# Altium PCB Board.PcbDoc (part 7 of 15) (continued)
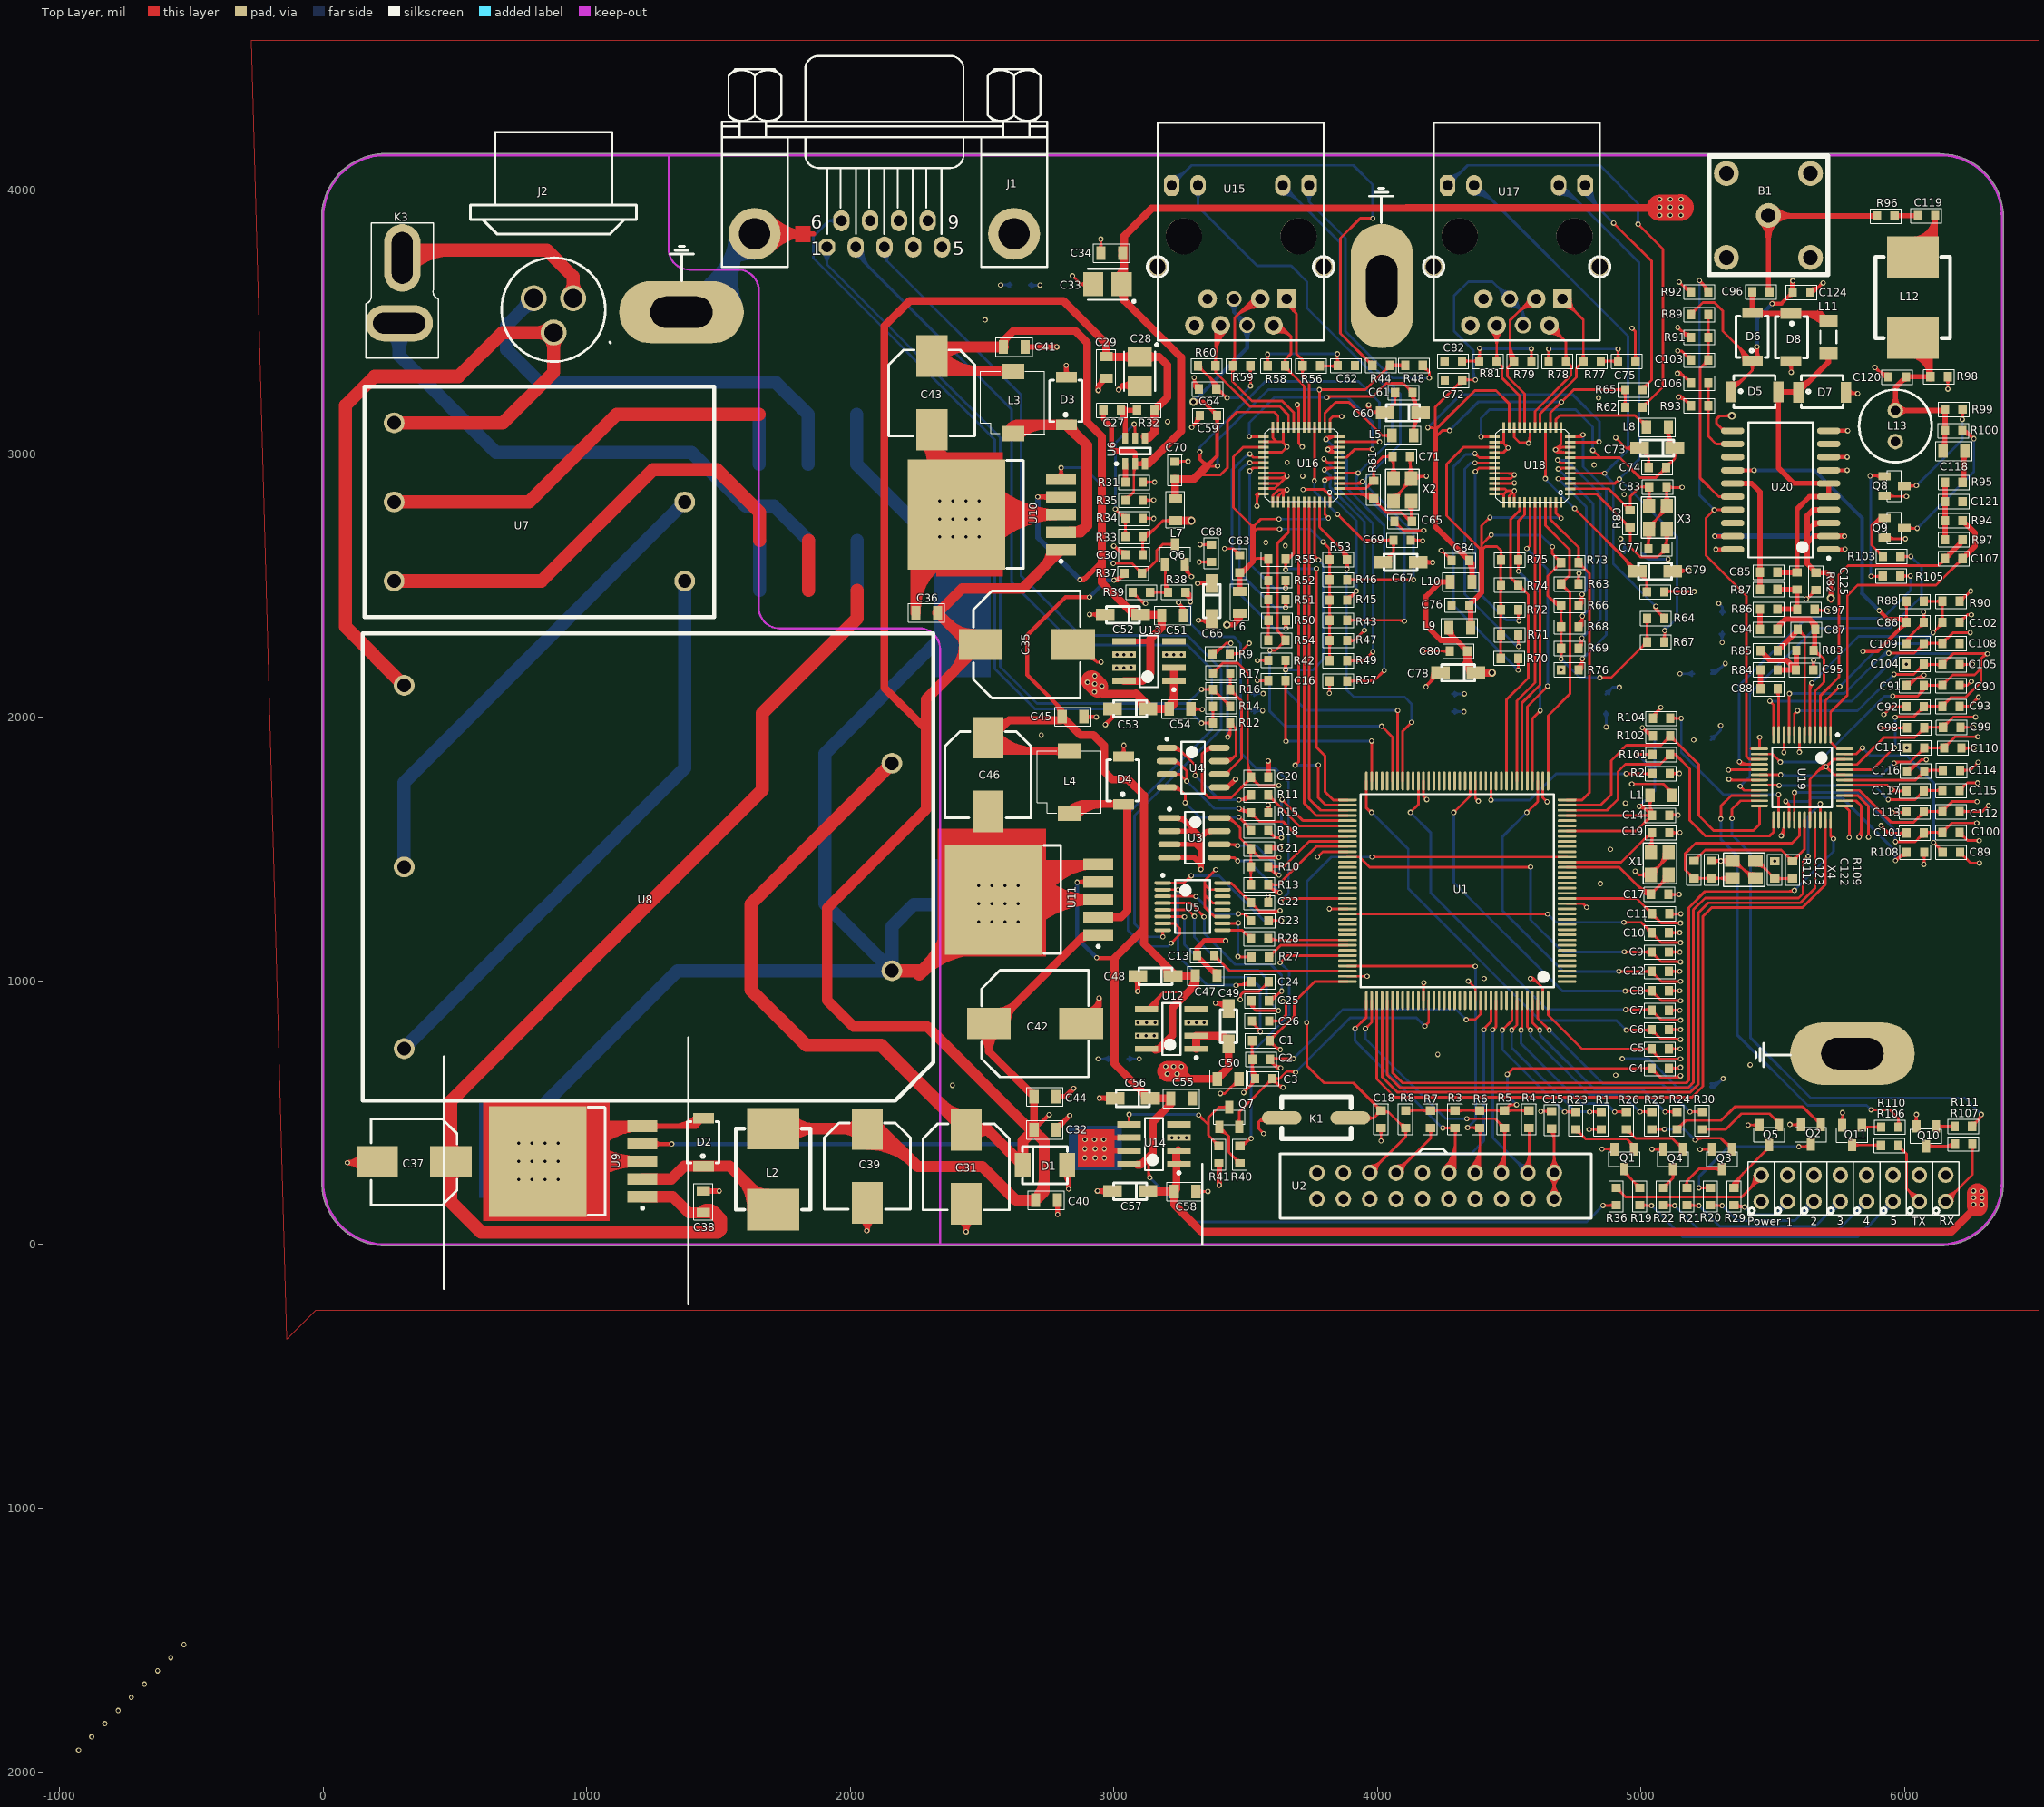
[diagram p0: Top Layer view]
## Nets (pads, with @x,y where several pads share a name; then routed paths per layer and width w, separated by ;. In a path a pad name is that pad's centre, name@x,y a point inside that pad or via, vN(x,y) a via of type N, cw(c..) or ccw(c..) an arc to the next point about the centre after c; other vN are vias at no path point) (continued)
NetC25_2: C25.2 U5.4 | length 1076.9
  Top Layer w10: U5.4@3185.41,1295.24 3291.16,1295.24 3330.6,1255.8 3330.6,1255.45 v1@3344.6,1241.45 ; 3332.36,1253.69 cw(c3322.11,1243.45) v1@3336.6,1243.45 ; 3334.77,1251.28 ccw(c3341.6,1258.11) v1@3341.6,1248.45 ; v1(3341.6,1243.45) v1@3346.6,1243.45 ; C25.2@3588.6,924.45 3597.6,924.45 3634.6,961.45 v1(3636.6,961.45) ; C25.2@3588.6,927.17 ccw(c3588.6,955.45) 3608.6,935.45 ; C25.2@3588.6,927.17 ccw(c3588.6,955.45) 3608.6,935.45 ; C25.2@3588.6,927.17 ccw(c3588.6,955.45) 3608.6,935.45 ; C25.2@3588.6,937.17 ccw(c3588.6,989.59) 3625.67,952.52 ; C25.2@3588.6,937.17 ccw(c3588.6,989.59) 3625.67,952.52 ; C25.2@3588.6,937.17 ccw(c3588.6,989.59) 3625.67,952.52 ; 3624.65,951.5 cw(c3636.6,939.55) v1@3636.6,956.45 ; 3624.65,951.5 cw(c3636.6,939.55) v1@3636.6,956.45 ; 3624.65,951.5 cw(c3636.6,939.55) v1@3636.6,956.45
  Bottom Layer w10: v1@3346.6,1243.45 3342.6,1239.45 3342.6,1180.45 3460.6,1062.45 3595.6,1062.45 3636.6,1021.45 v1(3636.6,961.45) ; v1@3338.06,1239.91 cw(c3327.11,1228.96) 3342.6,1228.96 ; v1@3338.06,1239.91 cw(c3327.11,1228.96) 3342.6,1228.96 ; v1@3338.06,1239.91 cw(c3327.11,1228.96) 3342.6,1228.96 ; v1@3633.06,964.98 ccw(c3624.53,973.52) 3636.6,973.52 ; v1@3633.06,964.98 ccw(c3624.53,973.52) 3636.6,973.52 ; v1@3633.06,964.98 ccw(c3624.53,973.52) 3636.6,973.52 ; 3636.6,973.52 ccw(c3648.67,973.52) v1@3640.13,964.98 ; 3636.6,973.52 ccw(c3648.67,973.52) v1@3640.13,964.98 ; 3636.6,973.52 ccw(c3648.67,973.52) v1@3640.13,964.98
NetC26_1: C26.1 U5.6 | length 1103.1
  Top Layer w10: U5.6@3185.41,1244.06 3266.98,1244.06 v1(3267.6,1243.45) ; C26.1@3523.6,848.45 3523.6,842.45 3555.6,810.45 v1(3555.6,807.45) ; 3254.04,1244.06 cw(c3254.04,1229.9) v1@3264.06,1239.91 ; 3254.04,1244.06 cw(c3254.04,1229.9) v1@3264.06,1239.91 ; 3254.04,1244.06 cw(c3254.04,1229.9) v1@3264.06,1239.91 ; 3257.01,1244.06 ccw(c3257.01,1254.04) v1@3264.06,1246.98 ; 3257.01,1244.06 ccw(c3257.01,1254.04) v1@3264.06,1246.98 ; 3257.01,1244.06 ccw(c3257.01,1254.04) v1@3264.06,1246.98 ; C26.1@3523.6,835.73 cw(c3523.6,819.52) C26.1@3535.06,830.98 ; C26.1@3523.6,835.73 cw(c3523.6,819.52) C26.1@3535.06,830.98 ; C26.1@3523.6,835.73 cw(c3523.6,819.52) C26.1@3535.06,830.98 ; C26.1@3534.35,846.48 ccw(c3570.03,846.48) 3544.8,821.25 ; C26.1@3534.35,846.48 ccw(c3570.03,846.48) 3544.8,821.25 ; C26.1@3534.35,846.48 ccw(c3570.03,846.48) 3544.8,821.25 ; 3544.94,821.11 cw(c3531.28,807.45) v1@3550.6,807.45 ; 3544.94,821.11 cw(c3531.28,807.45) v1@3550.6,807.45 ; 3544.94,821.11 cw(c3531.28,807.45) v1@3550.6,807.45
  Bottom Layer w10: v1(3267.6,1243.45) 3267.6,1138.45 3391.6,1014.45 3515.6,1014.45 3555.6,974.45 v1(3555.6,807.45) ; v1@3264.06,1239.91 cw(c3255.53,1231.38) 3267.6,1231.38 ; v1@3264.06,1239.91 cw(c3255.53,1231.38) 3267.6,1231.38 ; v1@3264.06,1239.91 cw(c3255.53,1231.38) 3267.6,1231.38 ; 3267.6,1231.38 cw(c3279.67,1231.38) v1@3271.13,1239.91 ; 3267.6,1231.38 cw(c3279.67,1231.38) v1@3271.13,1239.91 ; 3267.6,1231.38 cw(c3279.67,1231.38) v1@3271.13,1239.91 ; v1@3552.06,810.98 ccw(c3543.53,819.52) 3555.6,819.52 ; v1@3552.06,810.98 ccw(c3543.53,819.52) 3555.6,819.52 ; v1@3552.06,810.98 ccw(c3543.53,819.52) 3555.6,819.52 ; 3555.6,819.52 ccw(c3567.67,819.52) v1@3559.13,810.98 ; 3555.6,819.52 ccw(c3567.67,819.52) v1@3559.13,810.98 ; 3555.6,819.52 ccw(c3567.67,819.52) v1@3559.13,810.98
NetC27_1: C27.1 R32.2 U6.6 | length 437.2
  Top Layer w20: U6.6@3043.2,3058.68 3043.2,3148.85 C27.1@3026.6,3165.45 R32.2@3087.6,3165.45 ; C27.1@3022.53,3159.42 cw(c2972.65,3109.53) 3043.2,3109.53 ; C27.1@3022.53,3159.42 cw(c2972.65,3109.53) 3043.2,3109.53 ; C27.1@3022.53,3159.42 cw(c2972.65,3109.53) 3043.2,3109.53 ; C27.1@3026.6,3157.73 cw(c3026.6,3139.1) C27.1@3039.77,3152.28 ; C27.1@3026.6,3157.73 cw(c3026.6,3139.1) C27.1@3039.77,3152.28 ; C27.1@3026.6,3157.73 cw(c3026.6,3139.1) C27.1@3039.77,3152.28 ; C27.1@3036.68,3173.56 cw(c3020.93,3157.82) 3043.2,3157.82 ; C27.1@3036.68,3173.56 cw(c3020.93,3157.82) 3043.2,3157.82 ; C27.1@3036.68,3173.56 cw(c3020.93,3157.82) 3043.2,3157.82
NetC62_1: C62.1 R56.2 R58.2 | length 1125.4
  Top Layer w10: R58.2@3583.5,3334.01 3583.6,3334.11 v1(3583.6,3377.45) ; R56.2@3781.6,3333.45 3847.6,3333.45 C62.1@3848.6,3334.45 3847.6,3335.45 v1(3847.6,3379.45) ; R58.2@3575.9,3343.58 ccw(c3557.31,3362.17) 3583.6,3362.17 ; R58.2@3575.9,3343.58 ccw(c3557.31,3362.17) 3583.6,3362.17 ; R58.2@3575.9,3343.58 ccw(c3557.31,3362.17) 3583.6,3362.17 ; v1@3580.06,3373.91 cw(c3571.53,3365.38) 3583.6,3365.38 ; v1@3580.06,3373.91 cw(c3571.53,3365.38) 3583.6,3365.38 ; v1@3580.06,3373.91 cw(c3571.53,3365.38) 3583.6,3365.38 ; 3583.6,3361.68 ccw(c3609.21,3361.68) R58.2@3591.1,3343.58 ; 3583.6,3361.68 ccw(c3609.21,3361.68) R58.2@3591.1,3343.58 ; 3583.6,3361.68 ccw(c3609.21,3361.68) R58.2@3591.1,3343.58 ; 3583.6,3365.38 cw(c3595.67,3365.38) v1@3587.13,3373.91 ; 3583.6,3365.38 cw(c3595.67,3365.38) v1@3587.13,3373.91 ; 3583.6,3365.38 cw(c3595.67,3365.38) v1@3587.13,3373.91 ; R56.2@3789.2,3325.85 cw(c3807.55,3307.5) 3807.55,3333.45 ; R56.2@3789.2,3325.85 cw(c3807.55,3307.5) 3807.55,3333.45 ; R56.2@3789.2,3325.85 cw(c3807.55,3307.5) 3807.55,3333.45 ; R56.2@3789.2,3341.05 ccw(c3807.55,3359.4) 3807.55,3333.45 ; R56.2@3789.2,3341.05 ccw(c3807.55,3359.4) 3807.55,3333.45 ; R56.2@3789.2,3341.05 ccw(c3807.55,3359.4) 3807.55,3333.45 ; 3820.31,3333.45 cw(c3820.31,3304.19) C62.1@3841,3324.88 ; 3820.31,3333.45 cw(c3820.31,3304.19) C62.1@3841,3324.88 ; 3820.31,3333.45 cw(c3820.31,3304.19) C62.1@3841,3324.88 ; 3824.99,3333.45 ccw(c3824.99,3356.09) C62.1@3841,3340.08 ; 3824.99,3333.45 ccw(c3824.99,3356.09) C62.1@3841,3340.08 ; 3824.99,3333.45 ccw(c3824.99,3356.09) C62.1@3841,3340.08 ; C62.1@3841,3344.02 ccw(c3825.06,3359.95) 3847.6,3359.95 ; C62.1@3841,3344.02 ccw(c3825.06,3359.95) 3847.6,3359.95 ; C62.1@3841,3344.02 ccw(c3825.06,3359.95) 3847.6,3359.95 ; v1@3844.06,3375.91 cw(c3835.53,3367.38) 3847.6,3367.38 ; v1@3844.06,3375.91 cw(c3835.53,3367.38) 3847.6,3367.38 ; v1@3844.06,3375.91 cw(c3835.53,3367.38) 3847.6,3367.38 ; 3847.6,3364.78 ccw(c3876.96,3364.78) C62.1@3856.2,3344.02 ; 3847.6,3364.78 ccw(c3876.96,3364.78) C62.1@3856.2,3344.02 ; 3847.6,3364.78 ccw(c3876.96,3364.78) C62.1@3856.2,3344.02 ; 3847.6,3367.38 cw(c3859.67,3367.38) v1@3851.13,3375.91 ; 3847.6,3367.38 cw(c3859.67,3367.38) v1@3851.13,3375.91 ; 3847.6,3367.38 cw(c3859.67,3367.38) v1@3851.13,3375.91
  Bottom Layer w10: v1(3583.6,3377.45) 3585.6,3379.45 v1(3847.6,3379.45) ; v1@3587.13,3373.91 cw(c3600.5,3360.55) 3600.5,3379.45 ; v1@3587.13,3373.91 cw(c3600.5,3360.55) 3600.5,3379.45 ; v1@3587.13,3373.91 cw(c3600.5,3360.55) 3600.5,3379.45 ; 3835.53,3379.45 cw(c3835.53,3367.38) v1@3844.06,3375.91 ; 3835.53,3379.45 ccw(c3835.53,3391.52) v1@3844.06,3382.98 ; 3835.53,3379.45 cw(c3835.53,3367.38) v1@3844.06,3375.91 ; 3835.53,3379.45 ccw(c3835.53,3391.52) v1@3844.06,3382.98 ; 3835.53,3379.45 ccw(c3835.53,3391.52) v1@3844.06,3382.98 ; 3835.53,3379.45 cw(c3835.53,3367.38) v1@3844.06,3375.91
NetC64_1: C64.1 R59.2 R60.2 | length 1277.3
  Top Layer w10: R60.2@3319.6,3334.01 3395.6,3258.01 C64.1@3395.6,3246.45 ; C64.1@3388.6,3246.45 C64.1@3395.6,3246.45 ; 3414.87,3224.06 cw(c3404.25,3205.66) v1@3424.77,3211.15 ; 3420.91,3220.57 cw(c3417.13,3214.01) v1@3424.64,3213.07 ; v1(3429.6,3212.45) C64.1@3395.6,3246.45 ; R59.2@3517.7,3333.45 3518.6,3332.55 v1(3518.6,3257.45) ; R60.2@3319.6,3321.29 cw(c3319.6,3290.59) 3341.31,3312.3 ; R60.2@3319.6,3321.29 cw(c3319.6,3290.59) 3341.31,3312.3 ; R60.2@3319.6,3321.29 cw(c3319.6,3290.59) 3341.31,3312.3 ; R60.2@3330.35,3332.04 ccw(c3351.54,3332.04) 3336.55,3317.05 ; R60.2@3330.35,3332.04 ccw(c3351.54,3332.04) 3336.55,3317.05 ; R60.2@3330.35,3332.04 ccw(c3351.54,3332.04) 3336.55,3317.05 ; 3358.52,3295.09 cw(c3311.85,3248.42) C64.1@3377.85,3248.42 ; 3358.52,3295.09 cw(c3311.85,3248.42) C64.1@3377.85,3248.42 ; 3358.52,3295.09 cw(c3311.85,3248.42) C64.1@3377.85,3248.42 ; 3375.59,3278.02 cw(c3345.99,3248.42) C64.1@3387.85,3248.42 ; 3375.59,3278.02 cw(c3345.99,3248.42) C64.1@3387.85,3248.42 ; 3375.59,3278.02 cw(c3345.99,3248.42) C64.1@3387.85,3248.42 ; C64.1@3388.6,3233.73 cw(c3388.6,3186.13) 3422.26,3219.79 ; C64.1@3388.6,3233.73 cw(c3388.6,3186.13) 3422.26,3219.79 ; C64.1@3388.6,3233.73 cw(c3388.6,3186.13) 3422.26,3219.79 ; C64.1@3388.6,3243.73 cw(c3388.6,3220.27) 3405.19,3236.86 ; C64.1@3388.6,3243.73 cw(c3388.6,3220.27) 3405.19,3236.86 ; C64.1@3388.6,3243.73 cw(c3388.6,3220.27) 3405.19,3236.86 ; 3421.06,3220.98 cw(c3412.53,3212.45) v1@3424.6,3212.45 ; 3421.06,3220.98 ccw(c3429.6,3229.52) v1@3429.6,3217.45 ; 3421.06,3220.98 cw(c3412.53,3212.45) v1@3424.6,3212.45 ; 3421.06,3220.98 ccw(c3429.6,3229.52) v1@3429.6,3217.45 ; 3421.06,3220.98 ccw(c3429.6,3229.52) v1@3429.6,3217.45 ; 3421.06,3220.98 cw(c3412.53,3212.45) v1@3424.6,3212.45 ; R59.2@3510.1,3323.88 cw(c3489.58,3303.36) 3518.6,3303.36 ; R59.2@3510.1,3323.88 cw(c3489.58,3303.36) 3518.6,3303.36 ; R59.2@3510.1,3323.88 cw(c3489.58,3303.36) 3518.6,3303.36 ; v1@3515.06,3260.98 ccw(c3506.53,3269.52) 3518.6,3269.52 ; v1@3515.06,3260.98 ccw(c3506.53,3269.52) 3518.6,3269.52 ; v1@3515.06,3260.98 ccw(c3506.53,3269.52) 3518.6,3269.52 ; 3518.6,3269.52 ccw(c3530.67,3269.52) v1@3522.13,3260.98 ; 3518.6,3269.52 ccw(c3530.67,3269.52) v1@3522.13,3260.98 ; 3518.6,3269.52 ccw(c3530.67,3269.52) v1@3522.13,3260.98 ; 3518.6,3307.71 cw(c3541.47,3307.71) R59.2@3525.3,3323.88 ; 3518.6,3307.71 cw(c3541.47,3307.71) R59.2@3525.3,3323.88 ; 3518.6,3307.71 cw(c3541.47,3307.71) R59.2@3525.3,3323.88
  Bottom Layer w10: v1(3429.6,3212.45) 3473.6,3212.45 v1(3518.6,3257.45) ; v1@3433.13,3208.91 cw(c3441.67,3200.38) 3441.67,3212.45 ; v1@3433.13,3208.91 cw(c3441.67,3200.38) 3441.67,3212.45 ; v1@3433.13,3208.91 cw(c3441.67,3200.38) 3441.67,3212.45 ; v1@3433.13,3215.98 ccw(c3441.67,3224.52) 3441.67,3212.45 ; v1@3433.13,3215.98 ccw(c3441.67,3224.52) 3441.67,3212.45 ; v1@3433.13,3215.98 ccw(c3441.67,3224.52) 3441.67,3212.45 ; 3510.06,3248.91 cw(c3518.6,3240.38) v1@3518.6,3252.45 ; 3510.06,3248.91 ccw(c3501.53,3257.45) v1@3513.6,3257.45 ; 3510.06,3248.91 cw(c3518.6,3240.38) v1@3518.6,3252.45 ; 3510.06,3248.91 ccw(c3501.53,3257.45) v1@3513.6,3257.45 ; 3510.06,3248.91 ccw(c3501.53,3257.45) v1@3513.6,3257.45 ; 3510.06,3248.91 cw(c3518.6,3240.38) v1@3518.6,3252.45
NetC75_1: C75.1 R77.2 R78.2 | length 1136.8
  Top Layer w10: R78.2@4649.31,3352.01 4649.6,3352.3 v1(4649.6,3397.45) ; R77.2@4847.03,3351.45 C75.1@4912.6,3351.45 v1(4912.6,3397.45) ; R78.2@4641.71,3361.58 ccw(c4622.66,3380.62) 4649.6,3380.62 ; R78.2@4641.71,3361.58 ccw(c4622.66,3380.62) 4649.6,3380.62 ; R78.2@4641.71,3361.58 ccw(c4622.66,3380.62) 4649.6,3380.62 ; v1@4646.06,3393.91 cw(c4637.53,3385.38) 4649.6,3385.38 ; v1@4646.06,3393.91 cw(c4637.53,3385.38) 4649.6,3385.38 ; v1@4646.06,3393.91 cw(c4637.53,3385.38) 4649.6,3385.38 ; 4649.6,3379.22 ccw(c4674.56,3379.22) R78.2@4656.91,3361.58 ; 4649.6,3379.22 ccw(c4674.56,3379.22) R78.2@4656.91,3361.58 ; 4649.6,3379.22 ccw(c4674.56,3379.22) R78.2@4656.91,3361.58 ; 4649.6,3385.38 cw(c4661.67,3385.38) v1@4653.13,3393.91 ; 4649.6,3385.38 cw(c4661.67,3385.38) v1@4653.13,3393.91 ; 4649.6,3385.38 cw(c4661.67,3385.38) v1@4653.13,3393.91 ; R77.2@4854.63,3343.85 cw(c4872.98,3325.5) 4872.98,3351.45 ; R77.2@4854.63,3343.85 cw(c4872.98,3325.5) 4872.98,3351.45 ; R77.2@4854.63,3343.85 cw(c4872.98,3325.5) 4872.98,3351.45 ; R77.2@4854.63,3359.05 ccw(c4872.98,3377.4) 4872.98,3351.45 ; R77.2@4854.63,3359.05 ccw(c4872.98,3377.4) 4872.98,3351.45 ; R77.2@4854.63,3359.05 ccw(c4872.98,3377.4) 4872.98,3351.45 ; 4886.65,3351.45 cw(c4886.65,3325.5) C75.1@4905,3343.85 ; 4886.65,3351.45 ccw(c4886.65,3377.4) C75.1@4905,3359.05 ; 4886.65,3351.45 cw(c4886.65,3325.5) C75.1@4905,3343.85 ; 4886.65,3351.45 ccw(c4886.65,3377.4) C75.1@4905,3359.05 ; 4886.65,3351.45 ccw(c4886.65,3377.4) C75.1@4905,3359.05 ; 4886.65,3351.45 cw(c4886.65,3325.5) C75.1@4905,3343.85 ; C75.1@4905,3361.02 ccw(c4886.65,3379.37) 4912.6,3379.37 ; C75.1@4905,3361.02 ccw(c4886.65,3379.37) 4912.6,3379.37 ; C75.1@4905,3361.02 ccw(c4886.65,3379.37) 4912.6,3379.37 ; v1@4909.06,3393.91 cw(c4900.53,3385.38) 4912.6,3385.38 ; v1@4909.06,3393.91 cw(c4900.53,3385.38) 4912.6,3385.38 ; v1@4909.06,3393.91 cw(c4900.53,3385.38) 4912.6,3385.38 ; 4912.6,3379.36 ccw(c4938.55,3379.36) C75.1@4920.2,3361.02 ; 4912.6,3379.36 ccw(c4938.55,3379.36) C75.1@4920.2,3361.02 ; 4912.6,3379.36 ccw(c4938.55,3379.36) C75.1@4920.2,3361.02 ; 4912.6,3385.38 cw(c4924.67,3385.38) v1@4916.13,3393.91 ; 4912.6,3385.38 cw(c4924.67,3385.38) v1@4916.13,3393.91 ; 4912.6,3385.38 cw(c4924.67,3385.38) v1@4916.13,3393.91
  Bottom Layer w10: v1(4649.6,3397.45) v1(4912.6,3397.45) ; v1@4653.13,3393.91 cw(c4661.67,3385.38) 4661.67,3397.45 ; v1@4653.13,3393.91 cw(c4661.67,3385.38) 4661.67,3397.45 ; v1@4653.13,3393.91 cw(c4661.67,3385.38) 4661.67,3397.45 ; v1@4653.13,3400.98 ccw(c4661.67,3409.52) 4661.67,3397.45 ; v1@4653.13,3400.98 ccw(c4661.67,3409.52) 4661.67,3397.45 ; v1@4653.13,3400.98 ccw(c4661.67,3409.52) 4661.67,3397.45 ; 4900.53,3397.45 cw(c4900.53,3385.38) v1@4909.06,3393.91 ; 4900.53,3397.45 ccw(c4900.53,3409.52) v1@4909.06,3400.98 ; 4900.53,3397.45 cw(c4900.53,3385.38) v1@4909.06,3393.91 ; 4900.53,3397.45 ccw(c4900.53,3409.52) v1@4909.06,3400.98 ; 4900.53,3397.45 ccw(c4900.53,3409.52) v1@4909.06,3400.98 ; 4900.53,3397.45 cw(c4900.53,3385.38) v1@4909.06,3393.91
NetC82_1: C82.1 R79.2 R81.2 | length 1062.8
  Top Layer w10: C82.1@4320.6,3352.01 R81.2@4386.17,3352.01 4387.6,3353.44 v1(4387.6,3400.45) ; v1(4583.6,3398.45) 4583.6,3351.74 R79.2@4583.89,3351.45 ; C82.1@4328.2,3344.41 cw(c4346.55,3326.06) 4346.55,3352.01 ; C82.1@4328.2,3344.41 cw(c4346.55,3326.06) 4346.55,3352.01 ; C82.1@4328.2,3344.41 cw(c4346.55,3326.06) 4346.55,3352.01 ; C82.1@4328.2,3359.61 ccw(c4346.55,3377.96) 4346.55,3352.01 ; C82.1@4328.2,3359.61 ccw(c4346.55,3377.96) 4346.55,3352.01 ; C82.1@4328.2,3359.61 ccw(c4346.55,3377.96) 4346.55,3352.01 ; 4360.22,3352.01 cw(c4360.22,3326.06) R81.2@4378.57,3344.41 ; 4360.22,3352.01 ccw(c4360.22,3377.96) R81.2@4378.57,3359.61 ; 4360.22,3352.01 cw(c4360.22,3326.06) R81.2@4378.57,3344.41 ; 4360.22,3352.01 ccw(c4360.22,3377.96) R81.2@4378.57,3359.61 ; 4360.22,3352.01 ccw(c4360.22,3377.96) R81.2@4378.57,3359.61 ; 4360.22,3352.01 cw(c4360.22,3326.06) R81.2@4378.57,3344.41 ; R81.2@4378.57,3361.58 ccw(c4356.77,3383.38) 4387.6,3383.38 ; R81.2@4378.57,3361.58 ccw(c4356.77,3383.38) 4387.6,3383.38 ; R81.2@4378.57,3361.58 ccw(c4356.77,3383.38) 4387.6,3383.38 ; v1@4384.06,3396.91 cw(c4375.53,3388.38) 4387.6,3388.38 ; v1@4384.06,3396.91 cw(c4375.53,3388.38) 4387.6,3388.38 ; v1@4384.06,3396.91 cw(c4375.53,3388.38) 4387.6,3388.38 ; 4387.6,3376.47 ccw(c4408.66,3376.47) R81.2@4393.77,3361.58 ; 4387.6,3376.47 ccw(c4408.66,3376.47) R81.2@4393.77,3361.58 ; 4387.6,3376.47 ccw(c4408.66,3376.47) R81.2@4393.77,3361.58 ; 4387.6,3388.38 cw(c4399.67,3388.38) v1@4391.13,3396.91 ; 4387.6,3388.38 cw(c4399.67,3388.38) v1@4391.13,3396.91 ; 4387.6,3388.38 cw(c4399.67,3388.38) v1@4391.13,3396.91 ; R79.2@4576.29,3361.02 ccw(c4558.64,3378.67) 4583.6,3378.67 ; R79.2@4576.29,3361.02 ccw(c4558.64,3378.67) 4583.6,3378.67 ; R79.2@4576.29,3361.02 ccw(c4558.64,3378.67) 4583.6,3378.67 ; v1@4580.06,3394.91 cw(c4571.53,3386.38) 4583.6,3386.38 ; v1@4580.06,3394.91 cw(c4571.53,3386.38) 4583.6,3386.38 ; v1@4580.06,3394.91 cw(c4571.53,3386.38) 4583.6,3386.38 ; 4583.6,3380.06 ccw(c4610.54,3380.06) R79.2@4591.49,3361.02 ; 4583.6,3380.06 ccw(c4610.54,3380.06) R79.2@4591.49,3361.02 ; 4583.6,3380.06 ccw(c4610.54,3380.06) R79.2@4591.49,3361.02 ; 4583.6,3386.38 cw(c4595.67,3386.38) v1@4587.13,3394.91 ; 4583.6,3386.38 cw(c4595.67,3386.38) v1@4587.13,3394.91 ; 4583.6,3386.38 cw(c4595.67,3386.38) v1@4587.13,3394.91
  Bottom Layer w10: v1(4387.6,3400.45) 4389.6,3398.45 v1(4583.6,3398.45) ; v1@4391.13,3403.98 ccw(c4404.5,3417.35) 4404.5,3398.45 ; v1@4391.13,3403.98 ccw(c4404.5,3417.35) 4404.5,3398.45 ; v1@4391.13,3403.98 ccw(c4404.5,3417.35) 4404.5,3398.45 ; 4571.53,3398.45 cw(c4571.53,3386.38) v1@4580.06,3394.91 ; 4571.53,3398.45 ccw(c4571.53,3410.52) v1@4580.06,3401.98 ; 4571.53,3398.45 cw(c4571.53,3386.38) v1@4580.06,3394.91 ; 4571.53,3398.45 ccw(c4571.53,3410.52) v1@4580.06,3401.98 ; 4571.53,3398.45 ccw(c4571.53,3410.52) v1@4580.06,3401.98 ; 4571.53,3398.45 cw(c4571.53,3386.38) v1@4580.06,3394.91
NetC85_1: C85.1 D5.1 D7.2 L11.1 R82.2 U20.15 | length 1948.1
  Top Layer w20: C85.1@5517.6,2551.45 5518.6,2550.45 R82.2@5591.6,2550.45 5591.6,2790.45 5638.6,2837.45 U20.15@5711.6,2837.45 U20.15@5711.6,2887.45 ; 5577.6,2888.45 U20.15@5693.6,2888.45 ; 5577.6,2889.45 5520.6,2946.45 D5.1@5520.6,3234.45 D7.2@5595.5,3234.45 ; D7.2@5596.5,3233.45 5710.6,3347.55 L11.1@5710.6,3380.83 ; D5.1@5513.75,3207.92 cw(c5497.22,3191.38) 5520.6,3191.38 ; D5.1@5513.75,3207.92 cw(c5497.22,3191.38) 5520.6,3191.38 ; D5.1@5513.75,3207.92 cw(c5497.22,3191.38) 5520.6,3191.38 ; 5520.6,3191.38 cw(c5543.98,3191.38) D5.1@5527.45,3207.92 ; 5520.6,3191.38 cw(c5543.98,3191.38) D5.1@5527.45,3207.92 ; 5520.6,3191.38 cw(c5543.98,3191.38) D5.1@5527.45,3207.92 ; C85.1@5521.66,2545.42 cw(c5533.81,2533.27) 5533.81,2550.45 ; C85.1@5521.66,2545.42 cw(c5533.81,2533.27) 5533.81,2550.45 ; C85.1@5521.66,2545.42 cw(c5533.81,2533.27) 5533.81,2550.45 ; D5.1@5527.45,3227.6 cw(c5543.98,3211.07) 5543.98,3234.45 ; D5.1@5527.45,3227.6 cw(c5543.98,3211.07) 5543.98,3234.45 ; D5.1@5527.45,3227.6 cw(c5543.98,3211.07) 5543.98,3234.45 ; D5.1@5527.45,3241.3 ccw(c5543.98,3257.83) 5543.98,3234.45 ; D5.1@5527.45,3241.3 ccw(c5543.98,3257.83) 5543.98,3234.45 ; D5.1@5527.45,3241.3 ccw(c5543.98,3257.83) 5543.98,3234.45 ; 5570.7,3234.45 cw(c5570.7,3207.65) D7.2@5589.65,3226.6 ; 5570.7,3234.45 cw(c5570.7,3207.65) D7.2@5589.65,3226.6 ; 5570.7,3234.45 cw(c5570.7,3207.65) D7.2@5589.65,3226.6 ; 5575.53,3234.45 ccw(c5575.53,3254.42) D7.2@5589.65,3240.3 ; 5575.53,3234.45 ccw(c5575.53,3254.42) D7.2@5589.65,3240.3 ; 5575.53,3234.45 ccw(c5575.53,3254.42) D7.2@5589.65,3240.3 ; D7.2@5596.5,3262.82 ccw(c5596.5,3333.72) 5646.63,3283.59 ; D7.2@5596.5,3262.82 ccw(c5596.5,3333.72) 5646.63,3283.59 ; D7.2@5596.5,3262.82 ccw(c5596.5,3333.72) 5646.63,3283.59 ; L11.1@5701.24,3371.48 cw(c5678.66,3348.9) 5710.6,3348.9 ; L11.1@5701.24,3371.48 cw(c5678.66,3348.9) 5710.6,3348.9 ; L11.1@5701.24,3371.48 cw(c5678.66,3348.9) 5710.6,3348.9 ; 5710.6,3348.9 cw(c5742.53,3348.9) L11.1@5719.95,3371.48 ; 5710.6,3348.9 cw(c5742.53,3348.9) L11.1@5719.95,3371.48 ; 5710.6,3348.9 cw(c5742.53,3348.9) L11.1@5719.95,3371.48
  Top Layer w30: D7.2@5595.5,3234.45 D7.2@5596.5,3233.45
NetC85_2: C85.2 R87.2 U20.6 | length 487.4
  Top Layer w20: U20.6@5347.43,2887.45 5419.6,2887.45 5451.6,2855.45 C85.2@5451.6,2551.45 R87.2@5451.6,2485.45
NetC87_1: C87.1 C94.2 R83.2 U19.4 | length 975.2
  Top Layer w10: U19.4@5659.81,1933.87 5659.81,2099.66 5693.6,2133.45 5693.6,2221.45 R83.2@5661.6,2253.45 ; R83.2@5654.6,2241.73 cw(c5654.6,2196.55) 5686.55,2228.5 ccw(c5654.6,2196.55) R83.2@5654.6,2241.73 ; R83.2@5654.6,2251.73 cw(c5654.6,2230.69) 5669.48,2245.57 ccw(c5654.6,2230.69) R83.2@5654.6,2251.73
  Top Layer w20: C94.2@5517.6,2334.45 5517.6,2343.45 5546.6,2372.45 5640.6,2372.45 5660.6,2352.45 ; C87.1@5660.6,2334.45 5658.6,2332.45 5658.6,2256.45 R83.2@5661.6,2253.45 ; C94.2@5523.35,2336.42 cw(c5554.2,2336.42) 5532.38,2358.23 ; C94.2@5523.35,2336.42 cw(c5554.2,2336.42) 5532.38,2358.23 ; C94.2@5523.35,2336.42 cw(c5554.2,2336.42) 5532.38,2358.23 ; R83.2@5650.53,2260.48 ccw(c5631.06,2279.95) 5658.6,2279.95 ; R83.2@5650.53,2260.48 ccw(c5631.06,2279.95) 5658.6,2279.95 ; R83.2@5650.53,2260.48 ccw(c5631.06,2279.95) 5658.6,2279.95 ; 5658.6,2313.78 cw(c5679.3,2313.78) C87.1@5664.66,2328.42 ; 5658.6,2313.78 cw(c5679.3,2313.78) C87.1@5664.66,2328.42 ; 5658.6,2313.78 cw(c5679.3,2313.78) C87.1@5664.66,2328.42 ; 5639.45,2373.6 cw(c5602.27,2336.42) 5654.85,2336.42 ccw(c5602.27,2336.42) 5639.45,2373.6
NetC87_2: C87.2 R85.2 U19.6 | length 738.3
  Top Layer w10: C87.2@5594.6,2334.45 5620.6,2308.45 U19.6@5620.6,1935.52 ; C87.2@5594.6,2321.73 cw(c5594.6,2291.03) 5616.31,2312.74 ; C87.2@5594.6,2321.73 cw(c5594.6,2291.03) 5616.31,2312.74 ; C87.2@5594.6,2321.73 cw(c5594.6,2291.03) 5616.31,2312.74 ; C87.2@5605.35,2332.48 ccw(c5626.54,2332.48) 5611.55,2317.49 ; C87.2@5605.35,2332.48 ccw(c5626.54,2332.48) 5611.55,2317.49 ; C87.2@5605.35,2332.48 ccw(c5626.54,2332.48) 5611.55,2317.49
  Top Layer w20: R85.2@5518.6,2253.45 5594.6,2329.45 C87.2@5594.6,2334.45 ; R85.2@5518.6,2261.17 ccw(c5518.6,2279.79) R85.2@5531.77,2266.62 ; R85.2@5518.6,2261.17 ccw(c5518.6,2279.79) R85.2@5531.77,2266.62 ; R85.2@5518.6,2261.17 ccw(c5518.6,2279.79) R85.2@5531.77,2266.62 ; C87.2@5582.64,2317.49 ccw(c5567.65,2332.48) C87.2@5588.85,2332.48 ; C87.2@5582.64,2317.49 ccw(c5567.65,2332.48) C87.2@5588.85,2332.48 ; C87.2@5582.64,2317.49 ccw(c5567.65,2332.48) C87.2@5588.85,2332.48
NetC88_1: C88.1 R84.1 | length 72
  Top Layer w20: C88.1@5452.6,2108.45 R84.1@5452.6,2180.45
NetC89_2: C89.2 U19.47 | length 1029.9
  Top Layer w10: U19.47@5772.02,1861.03 5816.18,1861.03 v1(5839.6,1884.45) ; v1(6109.6,1525.45) 6143.6,1491.45 C89.2@6143.6,1488.45 ; 5831.06,1875.91 cw(c5839.6,1867.38) v1@5839.6,1879.45 ; 5831.06,1875.91 ccw(c5822.53,1884.45) v1@5834.6,1884.45 ; 5831.06,1875.91 cw(c5839.6,1867.38) v1@5839.6,1879.45 ; 5831.06,1875.91 ccw(c5822.53,1884.45) v1@5834.6,1884.45 ; 5831.06,1875.91 ccw(c5822.53,1884.45) v1@5834.6,1884.45 ; 5831.06,1875.91 cw(c5839.6,1867.38) v1@5839.6,1879.45 ; v1@6109.6,1520.45 cw(c6109.6,1508.38) 6118.13,1516.91 ; v1@6109.6,1520.45 cw(c6109.6,1508.38) 6118.13,1516.91 ; v1@6109.6,1520.45 cw(c6109.6,1508.38) 6118.13,1516.91 ; v1@6114.6,1525.45 ccw(c6126.67,1525.45) 6118.13,1516.91 ; v1@6114.6,1525.45 ccw(c6126.67,1525.45) 6118.13,1516.91 ; v1@6114.6,1525.45 ccw(c6126.67,1525.45) 6118.13,1516.91 ; 6124.52,1510.53 cw(c6104.41,1490.42) C89.2@6132.85,1490.42 ; 6124.52,1510.53 cw(c6104.41,1490.42) C89.2@6132.85,1490.42 ; 6124.52,1510.53 cw(c6104.41,1490.42) C89.2@6132.85,1490.42 ; 6127.01,1508.04 ccw(c6143.6,1524.62) C89.2@6143.6,1501.17 ; 6127.01,1508.04 ccw(c6143.6,1524.62) C89.2@6143.6,1501.17 ; 6127.01,1508.04 ccw(c6143.6,1524.62) C89.2@6143.6,1501.17
  Bottom Layer w10: v1(5839.6,1884.45) 5868.6,1855.45 6006.6,1855.45 6109.6,1752.45 v1(6109.6,1525.45) ; v1@5839.6,1879.45 cw(c5839.6,1867.38) 5848.13,1875.91 ; v1@5839.6,1879.45 cw(c5839.6,1867.38) 5848.13,1875.91 ; v1@5839.6,1879.45 cw(c5839.6,1867.38) 5848.13,1875.91 ; v1@5844.6,1884.45 ccw(c5856.67,1884.45) 5848.13,1875.91 ; v1@5844.6,1884.45 ccw(c5856.67,1884.45) 5848.13,1875.91 ; v1@5844.6,1884.45 ccw(c5856.67,1884.45) 5848.13,1875.91 ; v1@6106.06,1528.98 ccw(c6097.53,1537.52) 6109.6,1537.52 ; v1@6106.06,1528.98 ccw(c6097.53,1537.52) 6109.6,1537.52 ; v1@6106.06,1528.98 ccw(c6097.53,1537.52) 6109.6,1537.52 ; 6109.6,1537.52 ccw(c6121.67,1537.52) v1@6113.13,1528.98 ; 6109.6,1537.52 ccw(c6121.67,1537.52) v1@6113.13,1528.98 ; 6109.6,1537.52 ccw(c6121.67,1537.52) v1@6113.13,1528.98
NetC94_1: C94.1 R86.1 | length 76
  Top Layer w20: C94.1@5451.6,2334.45 R86.1@5451.6,2410.45
NetC95_2: C95.2 R83.1 R84.2 R85.1 | length 393.9
  Top Layer w10: C95.2@5587.6,2180.45 C95.2@5588.6,2181.45
  Top Layer w20: R85.1@5452.6,2253.45 5488.6,2217.45 5551.6,2217.45 5587.6,2181.45 C95.2@5587.6,2180.45 R84.2@5518.6,2180.45 ; C95.2@5588.6,2181.45 R83.1@5588.6,2254.45 ; R85.1@5452.6,2245.73 cw(c5452.6,2227.1) R85.1@5465.77,2240.28 ; R85.1@5452.6,2245.73 cw(c5452.6,2227.1) R85.1@5465.77,2240.28 ; R85.1@5452.6,2245.73 cw(c5452.6,2227.1) R85.1@5465.77,2240.28 ; C95.2@5583.53,2186.48 ccw(c5571.31,2198.71) 5588.6,2198.71 ; C95.2@5583.53,2186.48 ccw(c5571.31,2198.71) 5588.6,2198.71 ; C95.2@5583.53,2186.48 ccw(c5571.31,2198.71) 5588.6,2198.71
NetC96_2: C96.2 D6.1 D8.2 L11.2 | length 1379.6
  Top Layer w20: D6.1@5414.6,3532.45 D8.2@5568.5,3532.45 ; C96.2@5421.6,3614.45 5421.6,3535.45 D6.1@5422.6,3534.45 ; D8.2@5568.6,3532.55 5682.11,3532.55 ; L11.2@5686.91,3509.01 ccw(c5666.71,3517.15) 5682.11,3532.55 ; L11.2@5710.6,3504.06 5682.11,3532.55 ; D6.1@5415.75,3541.3 ccw(c5401.63,3555.42) 5421.6,3555.42 ; D6.1@5415.75,3541.3 ccw(c5401.63,3555.42) 5421.6,3555.42 ; D6.1@5415.75,3541.3 ccw(c5401.63,3555.42) 5421.6,3555.42 ; 5421.6,3560.24 ccw(c5448.39,3560.24) D6.1@5429.45,3541.3 ; 5421.6,3560.24 ccw(c5448.39,3560.24) D6.1@5429.45,3541.3 ; 5421.6,3560.24 ccw(c5448.39,3560.24) D6.1@5429.45,3541.3 ; D6.1@5449.13,3541.3 ccw(c5470.49,3562.66) 5470.49,3532.45 ; D6.1@5449.13,3541.3 ccw(c5470.49,3562.66) 5470.49,3532.45 ; D6.1@5449.13,3541.3 ccw(c5470.49,3562.66) 5470.49,3532.45 ; 5525.28,3532.45 ccw(c5525.28,3556.18) D8.2@5542.06,3539.4 ; 5525.28,3532.45 ccw(c5525.28,3556.18) D8.2@5542.06,3539.4 ; 5525.28,3532.45 ccw(c5525.28,3556.18) D8.2@5542.06,3539.4 ; 5525.78,3532.45 cw(c5525.78,3509.42) D8.2@5542.06,3525.7 ; 5525.78,3532.45 cw(c5525.78,3509.42) D8.2@5542.06,3525.7 ; 5525.78,3532.45 cw(c5525.78,3509.42) D8.2@5542.06,3525.7 ; D8.2@5595.13,3525.7 cw(c5611.67,3509.17) 5611.67,3532.55 ; D8.2@5595.13,3525.7 cw(c5611.67,3509.17) 5611.67,3532.55 ; D8.2@5595.13,3525.7 cw(c5611.67,3509.17) 5611.67,3532.55 ; D8.2@5595.13,3539.4 ccw(c5611.67,3555.93) 5611.67,3532.55 ; D8.2@5595.13,3539.4 ccw(c5611.67,3555.93) 5611.67,3532.55 ; D8.2@5595.13,3539.4 ccw(c5611.67,3555.93) 5611.67,3532.55 ; D8.2@5598.47,3532.55 cw(c5598.47,3403.35) L11.2@5689.83,3494.71 ; D8.2@5598.47,3532.55 cw(c5598.47,3403.35) L11.2@5689.83,3494.71 ; D8.2@5598.47,3532.55 cw(c5598.47,3403.35) L11.2@5689.83,3494.71 ; 5646.75,3532.55 cw(c5646.75,3451.63) L11.2@5703.97,3508.85 ; 5646.75,3532.55 cw(c5646.75,3451.63) L11.2@5703.97,3508.85 ; 5646.75,3532.55 cw(c5646.75,3451.63) L11.2@5703.97,3508.85 ; 5676.4,3538.26 cw(c5651.29,3513.14) 5686.18,3506.53 ccw(c5651.29,3513.14) 5676.4,3538.26
  Top Layer w30: D8.2@5568.5,3532.45 D8.2@5568.6,3532.55
NetC97_1: C97.1 R82.1 R86.2 R87.1 | length 344.1
  Top Layer w20: R86.2@5517.6,2410.45 5591.6,2410.45 R82.1@5591.6,2484.45 5518.6,2484.45 R87.1@5517.6,2485.45 ; R87.1@5521.66,2479.42 cw(c5533.81,2467.27) 5533.81,2484.45 ; R87.1@5521.66,2479.42 cw(c5533.81,2467.27) 5533.81,2484.45 ; R87.1@5521.66,2479.42 cw(c5533.81,2467.27) 5533.81,2484.45 ; 5576.38,2410.45 ccw(c5576.38,2427.63) C97.1@5588.53,2415.48 ; 5576.38,2410.45 ccw(c5576.38,2427.63) C97.1@5588.53,2415.48 ; 5576.38,2410.45 ccw(c5576.38,2427.63) C97.1@5588.53,2415.48 ; 5591.6,2427.71 ccw(c5608.89,2427.71) C97.1@5596.66,2415.48 ; 5591.6,2427.71 ccw(c5608.89,2427.71) C97.1@5596.66,2415.48 ; 5591.6,2427.71 ccw(c5608.89,2427.71) C97.1@5596.66,2415.48